# Altium PCB REB215_XPRO_Extension.PcbDoc (part 3 of 5)
Units mil, origin at the board's own origin, x right, y up, seen from the top; angles counter-clockwise.
Board outline 4055.74 x 2606 mil, 6 copper layers (Top Layer LF-signals, Signal Layer 1, Internal Plane 1, Mid-1, Mid-2, Bottom Layer LF-signals), stack 58.434 mil thick; 278 components, 292 nets, 1282 pads, 1177 vias.
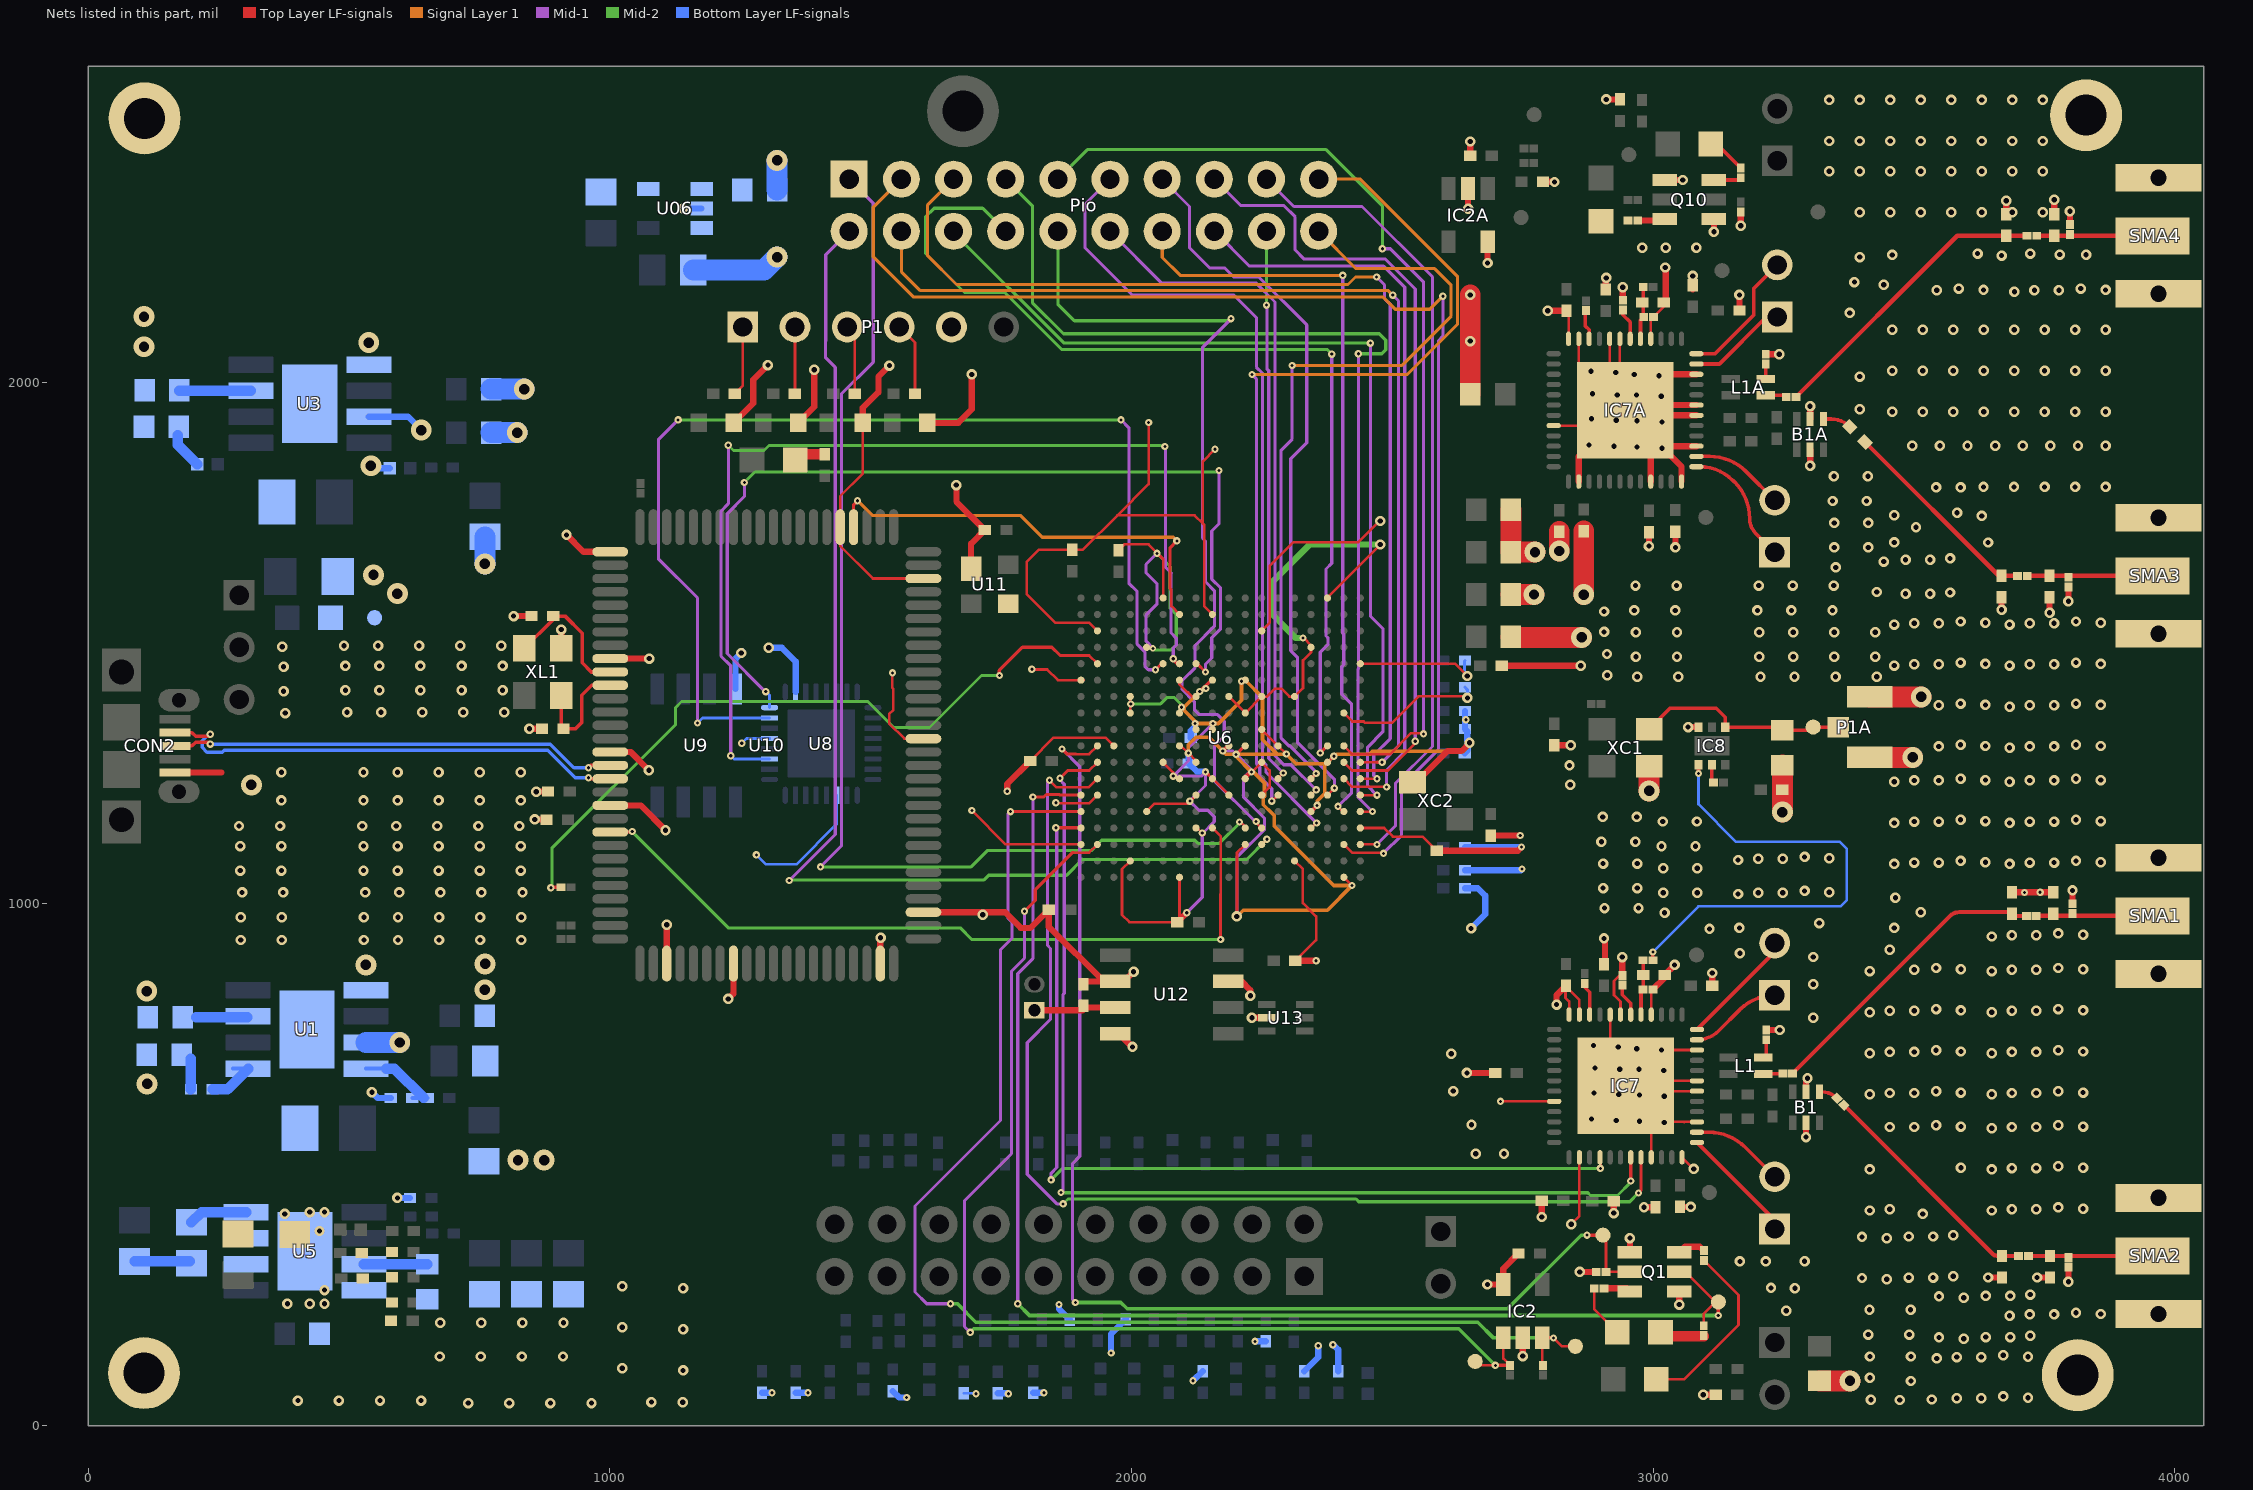
[diagram p7: the nets of this part, all layers, seen from the top]

## Via types
v1: diameter 20, hole 10, Top Layer LF-signals to Bottom Layer LF-signals, 660 vias
v2: diameter 14, hole 6, Top Layer LF-signals to Bottom Layer LF-signals, 470 vias
v3: diameter 40, hole 20, Top Layer LF-signals to Bottom Layer LF-signals, 46 vias
v4: diameter 12, hole 6, Top Layer LF-signals to Bottom Layer LF-signals, 1 vias

## Nets (pads, with @x,y where several pads share a name; then routed paths per layer and width w, separated by ;. In a path a pad name is that pad's centre, name@x,y a point inside that pad or via, vN(x,y) a via of type N, cw(c..) or ccw(c..) an arc to the next point about the centre after c; other vN are vias at no path point) (continued)
GND: B1.2 B1.5 B1A.2 B1A.5 C1.1 C01.2 C001.2 C1A.1 C002.2 C4.2 C4A.2 C5.2 C5A.2 C7.2 C7A.2 C9.2 C10.2 C10A.2 C11.1 C13.2 C13A.2 C14.2 C14A.2 C15.2 C15A.2 C16.2 C16A.2 C17.2 C17A.2 C18.2 C18A.2 C19.2 C19A.2 C20.2 C20A.2 C21.2 C21A.2 C22.2 C22A.2 C23.2 C24.2 C24A.2 C024A.2 C26.2 C27.2 C28.2 C29.2 C30.2 C31.2 C32.2 C33.2 C34.2 C35.2 C43.2 C44.2 C45.2 C46.2 C47.2 C48.2 C49.2 C50.2 C51.2 C52.2 C53.2 C54.2 C55.2 C56.2 C57.2 C58.2 C59.2 C60.2 C61.2 C62.2 C63.2 C64.2 C65.2 C66.2 C67.2 C68.2 C69.2 C70.2 C71.2 C72.2 C73.2 C74.2 C75.2 C76.2 C77.2 C78.2 C79.2 C80.2 C81.2 C82.2 C110.1 C230.2 CON2.5 D001.1 DA.1 DB.1 DC.1 DD.1 IC2.2 IC2.5 IC2A.2 IC2A.5 IC7.3 IC7.6 IC7.7 IC7.10@3084.06,719.91 IC7.16@2996.46,787.82 IC7.19 IC7.20 IC7.23 IC7.24 IC7.32 IC7.38 IC7.45 IC7.48 IC7.49 IC7A.3 IC7A.6 IC7A.7 IC7A.10@3083.06,2015.37 IC7A.16@2995.46,2083.28 IC7A.19 IC7A.20 IC7A.23 IC7A.24 IC7A.32 IC7A.38 IC7A.45 IC7A.48 IC7A.49 IC8.3 P1.5 P1A.2 P1A.3 pad.0 pad.1 pad.3 pad.4 Q1.1 Q1.4 Q10.1 Q10.4 R5.2 R5A.2 R7.2 R7A.2 R10.1 R10A.1 R11.1 R11A.1 R13.1 R13A.1 R16.1 R19.1 R25.2 R032.2 R46.2 R47.2 R48.2 R49.2 R50.2 R51.2 R53.1 R54.1 R55.1 R56.1 R57.1 R58.1 SMA1.2 SMA1.2.1 SMA2.2 SMA2.2.1 SMA3.2 SMA3.2.1 SMA4.2 SMA4.2.1 TP9.1 U1.1 U1.3 U3.1 U3.3 U5.9 U06.2 U6.A2 U6.A12 U6.B5 U6.B15 U6.C8 U6.C18 U6.D1 U6.D11 U6.E4 U6.E14 U6.F7 U6.F9 U6.F11 U6.F17 U6.G8 U6.G10 U6.G12 U6.H3 U6.H7 U6.H11 U6.H13 U6.J6 U6.J8 U6.J9 U6.J12 U6.J16 U6.K7 U6.K10 U6.K11 U6.L2 U6.L8 U6.L12 U6.L15 U6.M5 U6.M7 U6.M9 U6.M11 U6.M15 U6.N8 U6.N10 U6.N12 U6.N18 U6.P1 U6.R4 U6.R14 U6.T7 U6.T17 U6.U10 U6.V3 U6.V13 U8.11 U8.21 U8.26 U9.4 U10.1 U10.9 U10.16 U10.20 U10.33 U10.38 U10.49 U10.53 U10.66 U10.78 U10.85 U11.1 U12.2 U12.4 U12.7 U13.2 XC1.2 XC2.2 XL1.2 | length 19395.7
  Top Layer LF-signals w5: DB.1@1484.99,1922.18 1484.99,1825.03 1441.75,1781.78 U10.85@1441.75,1722.31 1441.75,1686.25 1504.12,1623.88 U10.78@1601.2,1623.88 ; v2(1541.76,1443) 1541.76,1414.15 1543.41,1412.51 1543.41,1371.74 1535.59,1363.93 1535.59,1345.78 1564.58,1316.8 U10.66@1601.2,1316.8 ; U11.1@1689,1646.1 1689,1686.79 1692.57,1690.36 ; v2(1694,1179) 1758.95,1114.05 U6.C18@1903.2,1114.05 ; C73.2@1806,1274 1850.77,1318.77 1950.45,1318.77 U6.J16@1966.19,1303.02 ; v2(1809,1450) 1808.51,1449.49 1838.31,1449.49 1858.79,1429.01 U6.N18@1903.2,1429.01 U6.N18@1908.65,1429.01 ; v2(1855,1194) 1856.21,1192.79 1918.95,1192.79 U6.F17@1934.7,1208.54 ; U6.T17@1934.7,1523.5 1918.95,1539.24 1853.61,1539.24 1799,1593.85 1799,1655.68 1822.32,1679 C74.2@1886.73,1679 1906.91,1679 1972.91,1745 ; U12.2@1946.55,851.45 U12.2@1968.83,851.45 ; C75.2@1975,1687.12 C75.2@1975,1678 1986.41,1689.41 2033.01,1689.41 2060.68,1661.73 2060.68,1660.32 ; U6.B15@1997.69,1082.55 1981.94,1066.8 1981.94,978.94 1995.88,965 C71.2@2088,965 ; U6.L15@1997.69,1366.02 U6.M15@1997.69,1397.51 ; U6.R14@2028.59,1492.59 U6.R14@2029.19,1492 v4@2039,1492 ; U6.E14@2029.19,1177.04 2044.48,1192.34 2107.34,1192.34 v2(2112,1197) 2113,1197 2123.67,1207.67 U6.F11@2123.67,1208.54 ; v2(2032.98,1923) 2032.98,1805.08 1972.91,1745 ; v2@2046.84,1674.16 v2(2049,1672) 2060.68,1660.32 ; U6.H13@2060.68,1271.53 2080,1252.21 v2(2080,1245) ; U6.V13@2060.68,1586.49 2060.68,1660.32 ; C71.2@2092.18,969.18 U6.A12@2092.18,1051.06 ; U6.G12@2092.18,1240.03 U6.G12@2092.18,1242.64 ; U6.J12@2092.18,1303.02 2094.98,1303.02 v2(2109,1289) 2123.67,1274.33 U6.H11@2123.67,1271.53 ; U6.L12@2092.18,1366.02 2093.41,1367.24 v2@2093.41,1380.86 ; U6.N12@2092.18,1429.01 2092.18,1421.04 2107.62,1405.6 2108.41,1405.6 2116.49,1397.51 ; U6.D11@2123.67,1145.54 2126.12,1145.54 v2(2135.66,1136) v2@2139,1132.66 ; 2147,1248.2 U6.G10@2155.17,1240.03 U6.F9@2186.67,1208.54 ; U6.U10@2155.17,1554.99 2139.42,1570.74 2139.42,1726.58 2136.84,1729.16 ; v2(2160,1871.67) 2136.84,1848.51 2136.84,1729.16 ; U6.M9@2186.67,1397.51 U6.L8@2218.16,1366.02 U6.M7@2249.66,1397.51 2259.52,1397.51 2274.82,1412.81 2287.49,1412.81 2302.79,1397.51 U6.M5@2312.65,1397.51 2328.85,1413.71 2328.85,1466.84 2344.15,1482.14 U6.R4@2344.15,1492 2340.79,1492 2344.63,1495.84 2330.68,1509.79 v2(2328.72,1509.79) ; v1(2202,976) 2202.41,976.41 2202.41,1098.3 U6.C8@2218.16,1114.05 ; v2@2210,1422 2217.01,1429.01 U6.N8@2218.16,1429.01 ; v2(2230,1253) 2226,1253 2213.03,1240.03 U6.G8@2218.16,1240.03 U6.H7@2249.66,1271.53 2264.95,1256.23 2264.95,1223.83 U6.F7@2249.66,1208.54 ; U6.K7@2249.66,1334.52 U6.J6@2281.15,1303.02 v2(2296.9,1287.28) ; U6.T7@2249.66,1523.5 2265.41,1539.24 2265.41,1648.5 2309.91,1693 2434.08,1693 2475.15,1734.07 v1(2476.91,1734.07) v1@2476.77,1733.94 ; U6.B5@2312.65,1082.55 2328.4,1066.8 2328.4,1001.6 2353.89,976.11 2353.89,930.89 2314.33,891.33 C68.2@2314,891 ; U6.H3@2375.64,1271.53 2388,1283.89 v2(2388,1283) ; U6.V3@2375.64,1586.49 2375.64,1587.64 v1(2477,1689) ; U6.A2@2407.14,1051.06 v2(2422.89,1035.31) ; U6.L2@2407.14,1366.02 2423.34,1349.82 2444.97,1349.82 2447.78,1347 2499,1347 2550,1398 v1@2641,1398 ; U6.D1@2438.63,1145.54 2484.36,1145.54 2500.9,1129 2558.09,1129 C76.2@2585,1102.1 ; U6.P1@2438.63,1460.5 2620.35,1460.5 v1(2643.91,1436.95) ; v2(2707.48,621.48) IC7.32@2810.43,621.48 ; IC7A.32@2809.43,1916.95 IC7A.49@2916.72,1916.95 ; IC7A.24@2837.98,2083.28 C24A.2@2837.98,2133.01 ; IC7.24@2838.98,787.82 2838.98,813.02 2832,820 2832,842.38 2858.66,815.72 IC7.23@2858.66,787.82 ; v1(2843,386) 2858.66,401.66 IC7.38@2858.66,514.2 ; IC7A.49@2857.66,2035.06 IC7A.23@2857.66,2083.28 ; IC7A.49@2916.72,1976 IC7A.20@2916.72,2083.28 ; IC7.49@2917.72,680.54 IC7.20@2917.72,787.82 ; R7.2@2935.77,863.07 2925.05,852.35 2925.05,825.01 2937.4,812.66 IC7.19@2937.4,787.82 ; IC7A.49@2936.4,1956.32 IC7A.19@2936.4,2083.28 ; IC7.49@2947.24,651.01 IC7.49@2957.09,641.17 ; IC7.49@2957.09,660.85 IC7.7@3084.06,660.85 ; IC7A.16@2995.46,2083.28 2995.46,2119.76 R13A.1@3000.7,2125 C10A.2@3020.34,2144.64 ; IC7.45@2996.46,514.2 2996.46,601.8 IC7.49@2957.09,641.17 ; IC7.16@2996.46,787.82 R13.1@2996.46,832.95 ; IC7.49@3016.14,582.11 3060.11,582.11 ; v1(3016.14,719.91) IC7.10@3084.06,719.91 ; IC7.48@3055.51,514.2 v1(3077.71,492) ; 3060,582 3060.11,582.11 ; IC7.3@3084.06,582.11 3060.11,582.11 ; IC7.6@3084.06,641.17 IC7.49@2957.09,641.17 ; 1972.91,1745 2121,1745 2136.84,1729.16
  Top Layer LF-signals w6: v2@2707,621 v2(2707.48,621.48)
  Top Layer LF-signals w7: U6.M11@2123.67,1397.51 2123.67,1399.85 v2(2131,1407.17) 2152.84,1429.01 U6.N10@2155.17,1429.01 ; v2(2142,1253.2) 2147,1248.2 ; U6.G10@2153.68,1240.03 U6.G10@2155.17,1240.03 ; v2(2175,1293) 2185.02,1303.02 U6.J9@2186.67,1303.02 ; v2(2200.73,1286.81) 2216.95,1303.02 U6.J8@2218.16,1303.02 ; U6.E4@2344.15,1177.04 v2(2356,1188.89)
  Top Layer LF-signals w12: CON2.5@166.24,1251.82 255.61,1251.82 ; v1(815.57,1551.81) C002.2@850,1551.81 ; v1(845.84,1336) C01.2@870,1336 ; v1@857.74,1162 v1(856,1162) 856.37,1161.63 C69.2@878.66,1161.63 ; v1(859,1215) 859.4,1215.4 C67.2@881.66,1215.4 ; XL1.2@906.87,1489.99 906.87,1525.87 v1(907,1526) v1@907,1526.65 ; v1(917,1707.47) 949.41,1675.06 U10.1@1000.8,1675.06 ; U10.20@1000.8,1188.84 1059.16,1188.84 v1(1106.78,1141.22) ; U10.16@1000.8,1291.21 1040.03,1291.21 v1(1075,1256.23) ; U10.9@1000.8,1470.34 v1(1075.66,1470.34) ; U10.33@1109.07,885.69 v1(1109.07,959.93) ; v1(1227,818) 1237.02,828.02 U10.38@1237.02,885.69 ; DD.1@1237.6,1922.18 1275,1959.58 1275,2005 v1(1303,2033) ; DC.1@1361.3,1922.18 1392,1952.88 v1(1392,2024) ; DB.1@1484.99,1922.18 1484.99,1950.99 1515,1981 1515,2011 v1(1536,2032) ; U10.49@1518.52,885.69 1518.52,934.52 v1(1519,935) v1@1519,935.56 ; U10.53@1601.2,984.12 v1@1709.77,984.12 ; DA.1@1608.69,1922.18 1667.82,1922.18 1694,1948.36 v1(1694,2015) ; v1(1664,1803) 1664.47,1802.53 1664.47,1771.32 C65.2@1719,1716.79 1692.57,1690.36 U11.1@1692.57,1642.53 ; v1(1714.81,979.08) v1@1709.77,984.12 ; v2(1762,1216) 1762,1230 C73.2@1806,1274 ; R032.2@1908,846.34 1913.11,851.45 1946.55,851.45 1841.66,956.34 C72.2@1841.66,989 1806.66,954 1788,954 1757.88,984.12 v1@1709.77,984.12 ; U12.4@1968.83,751.45 1975.55,751.45 2001,726 v1(2002,726) ; U12.2@1968.83,851.45 1985.45,851.45 v1(2004,870) ; C71.2@2088,965 C71.2@2088,965 v2(2106.06,983) ; U12.7@2185.36,851.45 2211.45,851.45 2228,834.91 v1(2228,824) ; v1(2231,782) 2231.23,781.77 U13.2@2259.53,781.77 ; C68.2@2314.33,891.33 2353.67,891.33 v2(2354,891) v2@2353.33,891 ; XC2.2@2538.72,1233.43 2546.02,1233.43 2605.69,1293.1 2632.83,1293.1 v1@2648,1308.26 ; C76.2@2585,1102.1 2740.79,1102.1 v2(2747.85,1109.15) ; v1(2643,676) C15.2@2697.57,676 ; v1(2645.26,2332.74) IC2A.2@2645.26,2371.52 ; C14A.2@2649.37,2434.37 v1(2649.37,2461.54) ; v1(2682.46,270.46) IC2.5@2712.73,270.46 2712.73,300.73 C1.1@2742,330 ; v1(2682.66,2228.66) IC2A.5@2682.66,2269.16 ; C70.2@2689,1131 v2(2745.37,1131) ; C66.2@2709.84,1456.5 v1(2861.18,1456.5) ; v1(2750.13,133.13) IC2.2@2750.13,168.09 ; v1(2786.66,399.82) C18.2@2786.66,431 ; C1A.1@2789,2384.28 2810.72,2384.28 v1(2811,2384) ; v1@2798.48,2137.48 v1(2798,2137) C24A.2@2834,2136.99 ; C9.2@2810.43,1304 v1(2842.18,1304) ; v1(2815,807) 2815,825.38 2832,842.38 C24.2@2833,843.38 ; IC7A.38@2857.66,1809.66 IC7A.49@2857.66,1857.89 ; v1(2859.41,294.59) R5.2@2891.02,294.59 ; C13.2@2905.9,884.68 2907.91,886.68 2907.91,931.9 v1(2905.9,933.9) ; C15A.2@2909,2178 2909,2199 v1(2910,2200) ; v1(2909.98,2542.28) C110.1@2936.35,2542.28 ; v1(2924.61,407.4) C17.2@2924.61,430 ; R7.2@2941,863.07 v1(2941,898) ; R7A.2@2942,2157.35 v1(2942,2182) ; IC7A.49@2946.24,1946.47 IC7A.49@2956.09,1936.63 ; Q1.4@2955.49,331.99 v1(2955.49,359.51) ; IC7A.49@2956.09,1956.32 IC7A.7@3083.06,1956.32 ; v1(2982.57,418.66) C16.2@3004.49,418.66 ; v1(2992,1686) C16A.2@2992,1712.66 ; IC7A.45@2995.46,1809.66 IC7A.49@2995.46,1897.26 ; R13.1@2999.51,836 3022.15,858.64 C10.2@3022.15,863.95 v1(3041.2,883) v1@3042,883 ; IC7A.49@3015.14,2015.37 IC7A.10@3083.06,2015.37 ; C10A.2@3020.34,2153 3024.11,2156.77 3024.11,2219.11 v1(3023.21,2220) ; Q10.1@3022.07,2387.77 v1(3056.77,2387.77) ; v1(3042.7,1683.39) C19A.2@3042.7,1713.76 ; v1(3049.98,232.02) Q1.1@3049.98,257.19 ; C19.2@3051.58,419.24 v1(3072.24,419.24) ; IC7A.48@3054.51,1809.66 3054.51,1838.21 IC7A.49@3015.14,1877.58 ; v1(3067,1339.02) IC8.3@3087.03,1339.02 ; C17A.2@3076,2178.32 v1(3076,2204) ; IC7A.3@3083.06,1877.58 IC7A.49@3015.14,1877.58 ; IC7A.6@3083.06,1936.63 IC7A.49@2956.09,1936.63 ; v1(3096,59) C11.1@3120.09,59 ; C20.2@3113.34,843.34 v1(3113.34,867.66) ; v1(3116.56,2288.56) Q10.4@3116.56,2312.97 ; C20A.2@3165.49,2137.65 v1(3165.49,2167.46) ; v1(3168,2300) R5A.2@3168,2326.62 ; C5A.2@3216,2053.75 v1(3241.75,2053.75) ; C5.2@3217,758.35 v1(3242.65,758.35) ; v1(3293.11,553.11) B1.5@3293.11,580.61 ; B1.2@3293.11,639.66 3293.11,663.11 v1(3296,666) v1@3295.54,666.46 ; v1(3301,1840) B1A.5@3301,1870.47 ; B1A.2@3301,1929.53 v1(3301,1954) v1@3301,1952.72 ; v1(3642.17,283.83) C21.2@3668.65,283.83 ; v1(3668,1564.1) C21A.2@3668,1587.61 ; C22A.2@3677,2322.17 v1(3677,2348) ; C22.2@3688,1022.34 C7.2@3767,1022.34 ; v1(3736.17,283.83) C4.2@3761,283.83 ; v1(3760,1558) C4A.2@3760,1587.61 ; C7A.2@3769,2322.34 v1(3769,2350) ; v1(3796.17,275.83) R10.1@3796.17,303.65 ; v1(3796.17,1580.17) R10A.1@3796.17,1607.65 ; R11A.1@3799,2302.35 v1(3799,2328) ; R11.1@3804,1000.35 v1(3804,1026) ; IC7A.49@2956.09,1936.63 IC7A.49@2995.46,1897.26 ; IC7A.49@2995.46,1897.26 IC7A.49@3015.14,1877.58
  Top Layer LF-signals w40: C230.2@2649.54,1977 v1(2649.54,2079.05) v1(2649.54,2167.54) ; C80.2@2727.47,1512 2728.47,1511 v3(2863,1511) ; C82.2@2727.47,1593.21 v3(2771.71,1593.21) ; C79.2@2727.47,1755.63 C81.2@2727.47,1674.42 v3(2773.58,1674.42) ; v3(2820,1676.52) C18A.2@2820,1713.66 ; v3(2867,1592.92) C13A.2@2867,1714.66 ; v3(2992.43,1216.57) XC1.2@2992.43,1264.13 ; v3(3247.84,1176.16) C024A.2@3247.84,1266.1 ; C23.2@3319,85.54 v3(3377.47,85.54) ; P1A.3@3415.16,1280.87 v3(3497.71,1280.87) ; P1A.2@3415.16,1397.01 v3(3513.92,1397.01)
  Mid-1 w6: v2(1998.56,1383.44) v2@1998.56,1384.57 ; v4(2041,1490) 2041,1490.51 2028.09,1503.41 2028.09,1554.1 2049.18,1575.18 2049.18,1613.33 2027.87,1634.64 2027.87,1650.87 v2(2049,1672) ; v2(2096,1377) 2096,1375.49 2125.49,1346 v2(2156,1346) 2109,1299 v2(2109,1289) 2109,1274 v2(2080,1245) 2133.8,1245 v2(2142,1253.2) 2142,1227 v2(2112,1197) 2129.44,1179.56 2146.44,1179.56 2158.72,1167.28 2158.72,1158.12 2159.01,1157.83 2137.18,1136 v2(2135.66,1136) 2135.66,1012.6 v2(2106.06,983) ; v2(2175,1293) 2194.55,1293 v2(2200.73,1286.81) 2230,1257.55 2214.92,1242.46 2214.92,1204.58 2254.91,1164.59 2254.91,1142.1 2202,1089.19 v1(2202,976)
  Mid-2 w6: v2(1998.56,1383.44) 2055.94,1383.44 2068.41,1395.91 2081.59,1395.91 2096,1381.49 v2(2096,1377) ; v4(2041,1490) 2043.91,1487.1 2076.59,1487.1 2085.91,1496.41 2085.91,1554.74 2074.09,1566.55 2074.09,1646.91 v2(2049,1672)
  Mid-2 w12: v2(2328.72,1509.79) 2315.18,1509.79 2269,1555.97 2269,1616.25 2341.76,1689 v1(2477,1689)
  Signal Layer 1 w6: v2(1998.56,1383.44) v2@1998.56,1386.74
  Signal Layer 1 w7: v2(2109,1289) 2109,1305 2123.22,1319.22 2148.78,1319.22 v2(2175,1293) 2181.19,1286.81 v2(2200.73,1286.81) ; v2(2131,1407.17) 2100.83,1377 2100.83,1371.37 2126.2,1346 v2(2156,1346) 2166.65,1346 2211,1390.35 v2(2211,1427) 2220.17,1427 2251.28,1395.89 2251.28,1314.81 2278.82,1287.28 v2(2296.9,1287.28) ; v1(2202,976) 2214.04,988.04 2375.62,988.04 v2(2422.89,1035.31) 2387.79,1035.31 2273.86,1149.23 2273.86,1169.54 2262.81,1180.6 2262.21,1180.6 2252.59,1190.21 2252.59,1203.8 2254.91,1206.11 2254.91,1231.92 2233.83,1253 v2(2230,1253) 2200.73,1282.27 v2(2200.73,1286.81) ; v2(2356,1188.89) 2356,1197.19 2370.62,1211.81 2370.62,1265.62 ; v1(2648,1309) 2632,1293 2462.96,1293 2457.23,1287.28 2392.28,1287.28 v2(2388,1283) 2374,1269 2315.18,1269 v2(2296.9,1287.28) ; v2(2200.73,1286.81) 2296.44,1286.81 v2(2296.9,1287.28)
  Bottom Layer LF-signals w5: v2(1253,1308) 1262.16,1317.16 U8.21@1306.35,1317.16 ; v2(1281,1094) 1299.09,1075.91 1357.91,1075.91 1434.9,1152.9 U8.11@1434.9,1208.31 ; R46.2@1678.61,62.03 1700.98,62.03 v2(1702,61) v2@1702.32,61.32
  Bottom Layer LF-signals w6: C55.2@2639.34,1415.42 2644,1410.76 v1(2644,1395) v1@2642,1395 ; C56.2@2639.34,1466.6 2638.35,1465.61 2638.35,1442.5 v1(2643.91,1436.95) v1@2643.91,1439.97
  Bottom Layer LF-signals w12: U3.3@538.06,1933.78 613.22,1933.78 v3(638.54,1908.47) v3@642,1908.47 ; v3(542,1840) 546.59,1835.41 R19.1@578.12,1835.41 ; v1(544,639) 555,628.01 R16.1@580.01,628.01 ; v1@591.22,438 v1(592.83,436.39) R25.2@617,436.39 ; v1(1140.16,2333.16) U06.2@1175.87,2333.16 ; U9.4@1241,1412 1241,1470 v1(1252,1481) 1254.51,1483.51 v1@1253.03,1484.98 ; R58.1@1291.68,63.03 v2(1311,63.03) ; v1(1304.49,1491) 1330,1491 1356.41,1464.59 1356.41,1406.61 U8.26@1356.1,1406.31 ; R53.1@1356.67,63.03 v2(1380,63.03) ; R51.2@1542.43,66 1554.43,54 v2(1569,54) ; R49.2@1743.59,62.03 1762.98,62.03 v2(1764,61) v2@1764,61.67 ; R50.2@1811.56,63.03 v2(1832,63.03) ; v2(1861,232) 1861,223.59 R54.1@1881.8,202.79 ; v2(1961,139) 1961,175.64 R55.1@1989.13,203.77 ; v2@2110,1288 C53.2@2110,1269 2125.8,1253.2 v2(2142,1253.2) ; C54.2@2113.57,1318 2113.57,1331.83 v2@2122,1340.26 ; v2(2118,85.87) R48.2@2136.49,104.36 ; v2(2236.85,161.45) R57.1@2257.44,161.45 ; R56.1@2331.44,104.36 2358,130.92 v2(2358,153) ; v2(2386,155) 2387.15,155 2396.43,145.72 R47.2@2396.43,104.36 ; C61.2@2639,1289 2643.91,1293.91 2643.91,1304.91 v1(2648,1309) v1@2649.5,1310.5 ; C57.2@2639.34,1030 2664,1030 2678,1016 2678,980 v1(2651,953) ; C60.2@2639.34,1064.74 2746.74,1064.74 v2(2748.8,1066.8) ; C62.2@2639.34,1109.15 v2(2747.85,1109.15) ; v2@2639.34,1351.34 C59.2@2639.34,1335.24 2643.91,1330.67 v1@2643.91,1313.1 ; C58.2@2639.34,1369.87 2639.34,1354.25 2640.59,1353 v2(2641,1353)
  Bottom Layer LF-signals w40: U1.3@532.54,734.4 v3(597.4,734.4) ; v3(760.5,1652) C35.2@760.5,1703.63 ; C34.2@772.47,1903.47 v3(822.47,1903.47) ; C31.2@772.47,1986.8 v3(836.01,1986.8) ; C48.2@1160.12,2215.05 1295.72,2215.05 v3(1320.67,2240) ; C47.2@1320.67,2368.6 v3(1320.67,2425.33)
  other v1: 728.65,43.16 807.39,43.16 886.13,43.16 964.87,43.16 1079.67,45 1140.02,44.61 402,48 480.74,48 559.48,48 638.22,48 3473,49 3417.63,49.6 3534,50.05 3582.23,52.56 3629.14,52.56 3718.66,53.35 3671.14,55.9 3494.31,85.46 3415.57,91.84 1140.47,105.74 1024,109.74 3543.77,128.74 3582.23,131.3 3629.14,131.3 3718.66,132.09 674,132.36 752.74,132.36 831.48,132.36 910.22,132.36 3415.57,132.36 3494.31,132.36 3671.14,134.64 3595.64,166.4 3548.11,168.95 3637.64,169.74 3684.54,169.74 3723,172.3 3412.23,174.36 3490.97,174.36 1140.47,184.48 1024,188.48 675,197 753.74,197 832.48,197 911.22,197 3683.38,210.6 3721.84,213.16 3768.74,213.16 3858.27,213.95 3810.74,216.5 3255.3,220.32 3414.78,221.89 3493.52,221.89 381.87,233.54 424.68,233.54 453.06,233.54 3595.64,245.14 3548.11,247.69 3637.64,248.48 3684.54,248.48 3723,251.04 453.06,259.69 3271.94,263.1 1140.47,263.22 3226.02,263.97 1024,267.22 3447.91,280.36 3400.39,282.91 3489.91,283.7 3536.82,283.7 3575.27,286.26 3166.42,314.63 3215.94,314.63 3290.32,314.96 3447.91,359.1 3400.39,361.65 3489.91,362.44 3536.82,362.44 3575.27,365 443.47,373 377,405.67 3516.84,405.67 424.68,409.18 453.06,409.18 3415.16,412.3 3649.3,412.3 3453.62,414.86 3687.76,414.86 3734.66,414.86 3824.19,415.65 3776.66,418.2 3415.16,491.04 3649.3,491.04 3687.76,493.6 3734.66,493.6 3590.05,494.39 3824.19,494.39 3776.66,496.94 2660,521.31 2714.15,521.31 3649.3,569.78 3453.62,572.34 3500.53,572.34 3590.05,573.13 3687.76,572.34 3734.66,572.34 3824.19,573.13 3542.53,575.68 3776.66,575.68 2651.85,576.6 3021.42,581 2973.9,583.55 2929.46,584.91 2881.94,587.46 3021.42,631.32 2973.9,633.87 2934.13,634.83 3415.16,635.02 3649.3,635.02 2886.6,637.38 3453.62,637.57 3500.53,637.57 3687.76,637.57 3734.66,637.57 3590.05,638.36 3824.19,638.36 2616.99,641.17 3542.53,640.91 3776.66,640.91 3020.34,680.54 2936,683.09 2972.81,683.09 2888.47,685.64 2613.15,713 3415.16,713.76 3649.3,713.76 3453.62,716.31 3500.53,716.31 3590.05,717.1 3687.76,716.31 3734.66,716.31 3824.19,717.1 3542.53,719.65 3776.66,719.65 2968.62,722.46 2933.03,726 2885.5,728.55 3307.09,781.77 3415.16,792.5 3649.3,792.5 3453.62,795.06 3500.53,795.06 3687.76,795.06 3734.66,795.06 3590.05,795.84 3824.19,795.84 3542.53,798.39 3776.66,798.39 3306.9,846 3415.16,871.24 3649.3,871.24 3500.53,873.8 3687.76,873.8 3734.66,873.8 3590.05,874.58 3824.19,874.58 3542.53,877.13 3776.66,877.13 3307.09,898.24 3166.42,905.51 3453.62,912.13 292.44,930.89 371.18,930.89 528.66,930.89 593.9,930.89 672.64,930.89 751.38,930.89 830.12,930.89 3649.3,937.56 3687.76,940.12 3734.66,940.12 3824.19,940.91 3776.66,943.46 3108.1,952.1 3165.49,954 3462.15,954 3318.7,963.32 292.44,974.47 371.18,974.47 528.66,974.47 593.9,974.47 672.64,974.47 751.38,974.47 830.12,974.47 3021.99,983.13 3513.14,984.25 2906.76,992 2972,992 3464.57,1012 3162.96,1019.02 294.99,1022 373.73,1022 531.21,1022 596.45,1022 675.19,1022 753.93,1022 832.67,1022 3019.43,1021.58 3084.66,1021.58 3201.41,1021.58 3248.32,1021.58 3337.84,1022.37 3290.32,1024.92 2904.21,1030.46 2969.44,1030.46 291.65,1064 370.39,1064 527.87,1064 593.11,1064 671.85,1064 750.59,1064 829.33,1064 3019.43,1068.49 3084.66,1068.49 3462.15,1076.65 3683.38,1076.65 2904.21,1077.36 2969.44,1077.36 3500.61,1079.21 3547.51,1079.21 3637.04,1080 3721.84,1079.21 3768.74,1079.21 3858.27,1080 3589.51,1082.55 3810.74,1082.55 3162.96,1084.26 3201.41,1086.81 3248.32,1086.81 3337.84,1087.6 3290.32,1090.15 291.65,1110.91 370.39,1110.91 527.87,1110.91 593.11,1110.91 671.85,1110.91 750.59,1110.91 829.33,1110.91 3016.09,1110.49 3081.32,1110.49 2900.87,1119.36 2966.1,1119.36 289.1,1149.36 367.84,1149.36 525.32,1149.36 590.55,1149.36 669.29,1149.36 748.03,1149.36 826.77,1149.36 3462.15,1155.39 3683.38,1155.39 3018.64,1158.01 3083.88,1158.01 3500.61,1157.95 3547.51,1157.95 3721.84,1157.95 3768.74,1157.95 3637.04,1158.74 3858.27,1158.74 3589.51,1161.29 3810.74,1161.29 2903.42,1166.89 2968.65,1166.89 370.39,1198.53 527.87,1198.53 593.11,1198.53 671.85,1198.53 750.59,1198.53 829.33,1198.53 2841,1228.3 3462.15,1234.13 3683.38,1234.13 3500.61,1236.69 3547.51,1236.69 3721.84,1236.69 3768.74,1236.69 3637.04,1237.48 3858.27,1237.48 3589.51,1240.03 3810.74,1240.03 370.39,1252.56 527.87,1252.56 593.11,1252.56 671.85,1252.56 750.59,1252.56 829.33,1252.56 2839.66,1265.62 3683.38,1299.37 3547.51,1301.93 3721.84,1301.93 3768.74,1301.93 3637.04,1302.72 3858.27,1302.72 3589.51,1305.27 3810.74,1305.27 378,1365.85 496.38,1367.45 561.61,1367.45 640.35,1367.45 719.09,1367.45 797.83,1367.45 3683.38,1378.11 3547.51,1380.67 3721.84,1380.67 3768.74,1380.67 3637.04,1381.46 3858.27,1381.46 3589.51,1384.01 3810.74,1384.01 374.66,1407.85 493.04,1409.45 558.28,1409.45 637.02,1409.45 715.76,1409.45 794.5,1409.45 2969.61,1435.41 3048.35,1435.41 3205.83,1435.41 3271.06,1435.41 3349.8,1435.41 3428.54,1435.41 2912,1438.53 374.66,1454.75 493.04,1456.35 558.28,1456.35 637.02,1456.35 715.76,1456.35 794.5,1456.35 3462.15,1456.85 3683.38,1456.85 3500.61,1459.41 3547.51,1459.41 3721.84,1459.41 3768.74,1459.41 3637.04,1460.2 3858.27,1460.2 3589.51,1462.75 3810.74,1462.75 2967.05,1473.86 3045.79,1473.86 3203.27,1473.86 3268.5,1473.86 3347.24,1473.86 3425.98,1473.86 2911.57,1479.09 372.1,1493.21 490.48,1494.81 555.72,1494.81 634.46,1494.81 713.2,1494.81 791.94,1494.81 2967.05,1520.77 3045.79,1520.77 3203.27,1520.77 3268.5,1520.77 3347.24,1520.77 3425.98,1520.77 2906.04,1521.52 3462.15,1535.59 3683.38,1535.59 3500.61,1538.15 3547.51,1538.15 3721.84,1538.15 3768.74,1538.15 3637.04,1538.94 3858.27,1538.94 3589.51,1541.49 3810.74,1541.49 2906.04,1560.59 2963.71,1562.77 3042.45,1562.77 3199.93,1562.77 3265.16,1562.77 3343.91,1562.77 3484.04,1594.47 3530.95,1594.47 3569.41,1597.03 3428.54,1598 2966.26,1610.29 3045,1610.29 3202.48,1610.29 3267.72,1610.29 3346.46,1610.29 3349.93,1645.1 3442.04,1656.37 3484.04,1659.71 3530.95,1659.71 3569.41,1662.27 3347.37,1683.55 3412.61,1683.55 3462.15,1693 3642.17,1692.91 3503.94,1722 3347.37,1730.46 3412.61,1730.46 3630,1743.75 3462.15,1745 3582.68,1749.98 3344.03,1772.46 3409.27,1772.46 3542.53,1798.56 3589.51,1798.56 3633.3,1799.45 3691.83,1799.45 3750.37,1799.45 3808.9,1799.45 3867.43,1799.45 3346.58,1819.98 3411.82,1819.98 3016.83,1873.55 2969.31,1876.1 2924.87,1877.45 3496.87,1878.19 3549.81,1878.19 3602.74,1878.19 3655.68,1878.19 3708.62,1878.19 3761.56,1878.19 3814.5,1878.19 3867.43,1878.19 2877.35,1880 3016.83,1923.87 2969.31,1926.42 2929.54,1927.37 2882.01,1929.92 3458.41,1943.42 3516.84,1943.42 3575.27,1943.42 3633.71,1943.42 3692.14,1943.42 3750.57,1943.42 3809,1943.42 3867.43,1943.42 3396.28,1948.36 3015.75,1973.08 2931.41,1975.63 2968.22,1975.63 2883.88,1978.18 3396.28,2011 3011.55,2012.45 2964.03,2015 2928.44,2018.54 2880.91,2021.1 3458.41,2022.16 3516.84,2022.16 3575.27,2022.16 3633.71,2022.16 3692.14,2022.16 3750.57,2022.16 3809,2022.16 3867.43,2022.16 3458.41,2100.9 3516.84,2100.9 3575.27,2100.9 3633.71,2100.9 3692.14,2100.9 3750.57,2100.9 3809,2100.9 3867.43,2100.9 3377,2133.01 3692.55,2173.74 3543.77,2176.3 3633.3,2177.09 3731,2176.3 3777.91,2176.3 3867.43,2177.09 3585.77,2179.64 3819.91,2179.64 3442.04,2186.81 3385.83,2192 3396.28,2240 3668,2242.98 3458.41,2244.09 3779.53,2244.86 3830.12,2244.46 3622.05,2246.78 3723,2246.78 2979,2258 3024.11,2258 3083.06,2257.73 3396.28,2326.01 3454.71,2326.01 3513.14,2326.01 3571.57,2326.01 3630,2326.01 3688.43,2326.01 3746.87,2326.01 3337.84,2404.75 3396.28,2404.75 3454.71,2404.75 3513.14,2404.75 3571.57,2404.75 3630,2404.75 3688.43,2404.75 3746.87,2404.75 3337.84,2462.56 3396.28,2462.56 3454.71,2462.56 3513.14,2462.56 3571.57,2462.56 3630,2462.56 3688.43,2462.56 3746.87,2462.56 3337.84,2541.3 3396.28,2541.3 3454.71,2541.3 3513.14,2541.3 3571.57,2541.3 3630,2541.3 3688.43,2541.3 3746.87,2541.3